# Allegro board ultrasound_tnr_1000a_01_20171121.brd (continued)
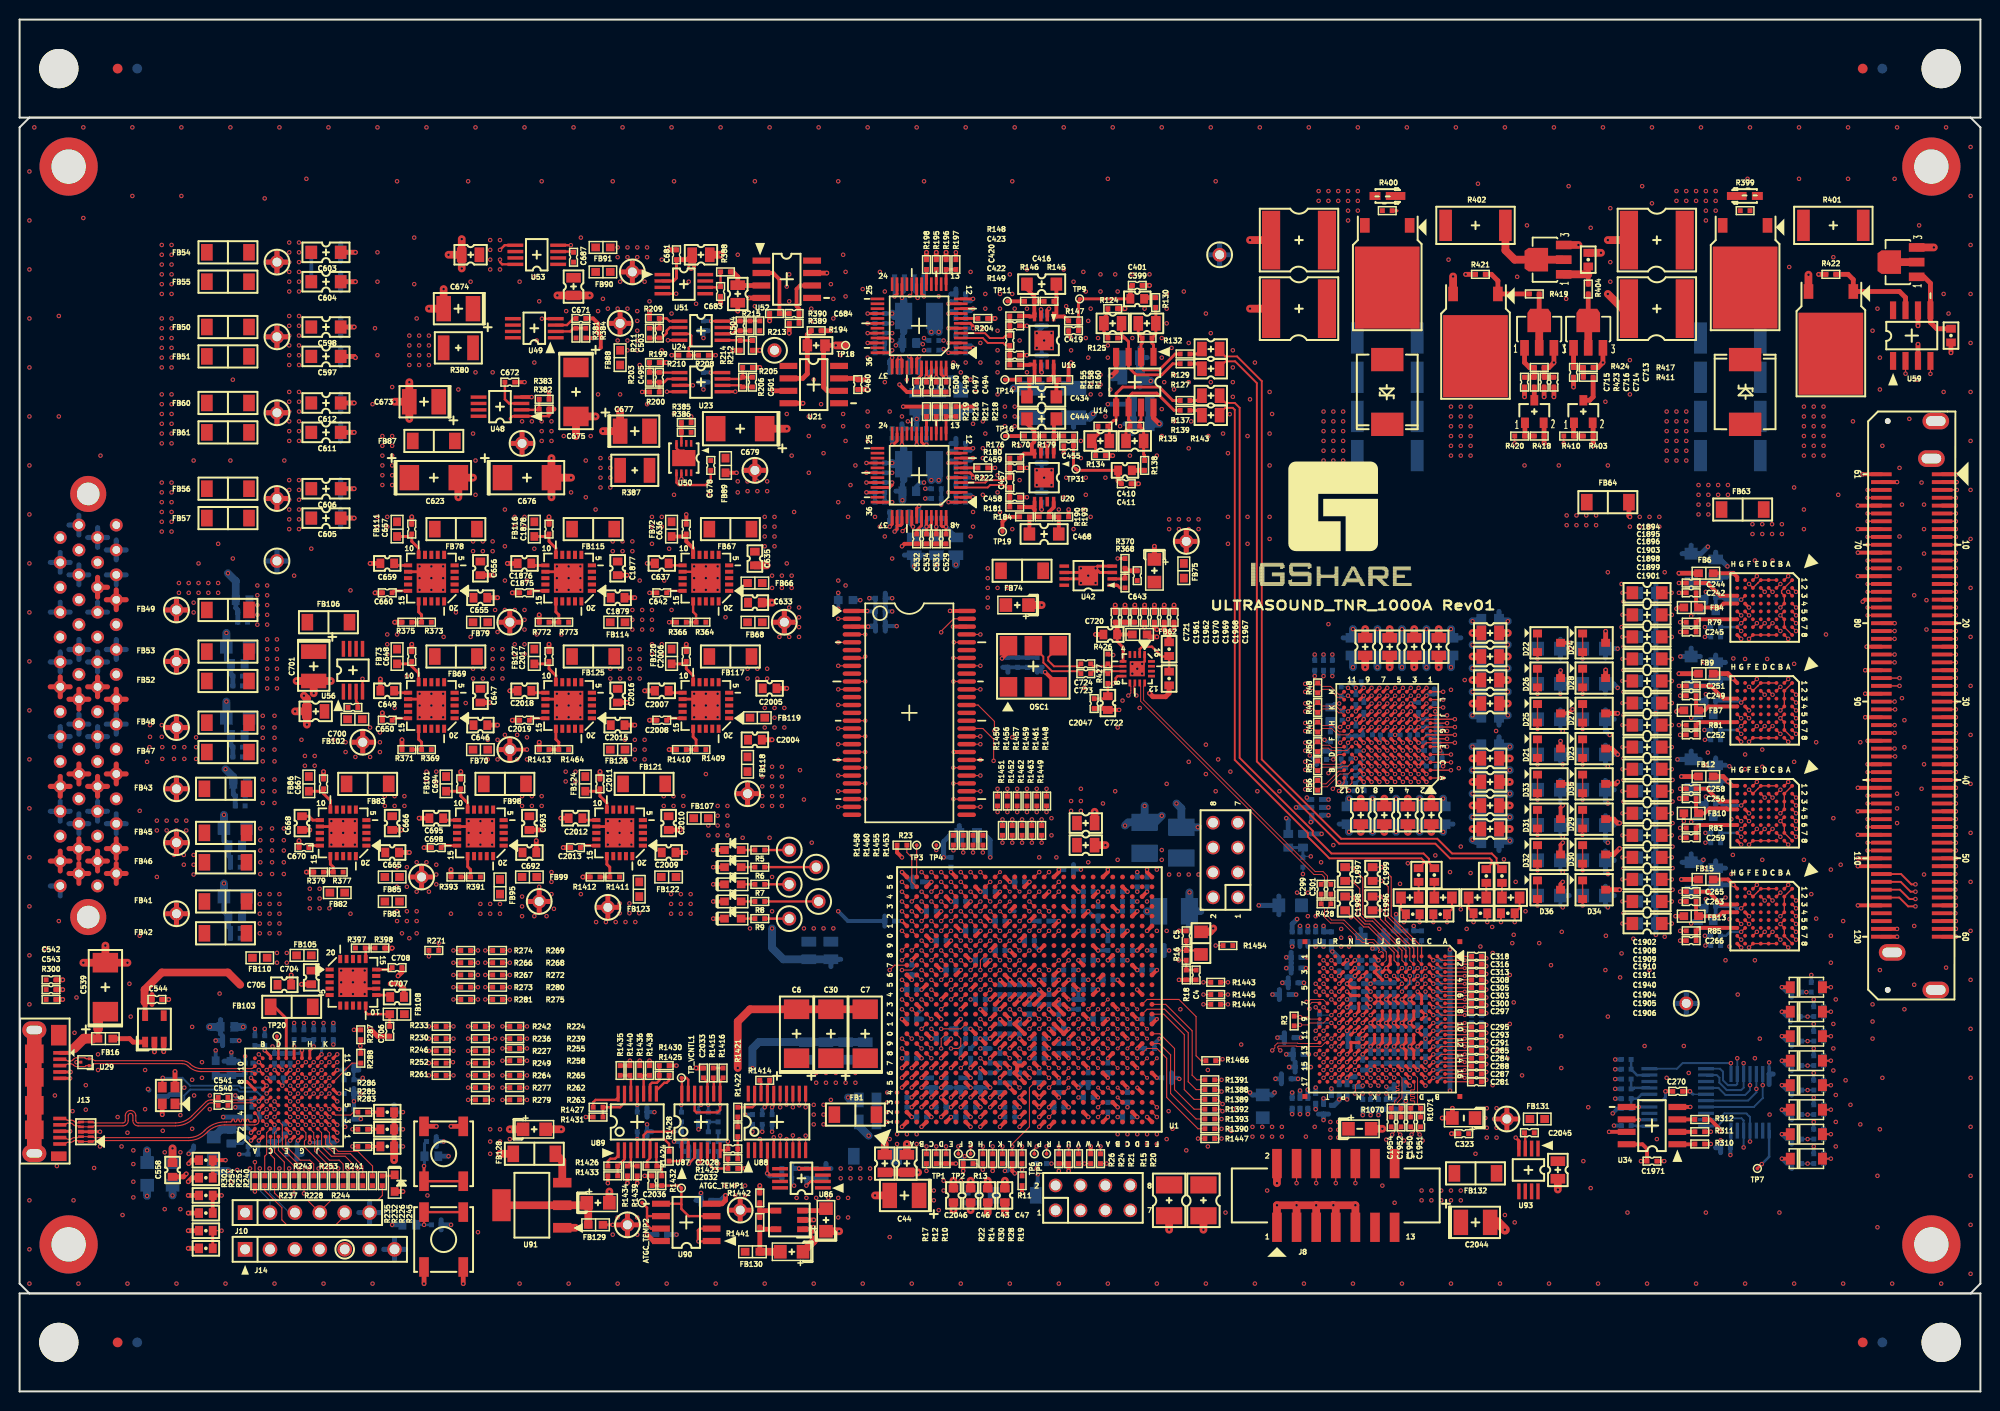
[diagram p0: board, top side]
## Nets (continued)
D3V3P: C270.1 C271.1 C613.1 C614.1 C615.1 C616.1 C647.1 C1971.1 C2005.1 C2010.1 C2016.1 FB41.2 FB42.2 FB69.1 FB107.1 FB109.1 FB110.1 FB117.1 FB121.1 FB125.1 Q5.2 Q9.2 R87.2 R88.2 R89.2 R93.1 R95.2 R96.2 R97.2 R98.2 R111.2 R112.2 R113.2 R114.2 R403.1 R418.1 U8.5 U9.14 U34.8
D3V3P_FPGA: C62.1 C63.1 C64.1 C65.1 C66.1 C67.1 C68.1 C69.1 C70.1 C71.1 C72.1 C73.1 C74.1 C75.1 C76.1 C77.1 C78.1 C107.1 C108.1 C109.1 C110.1 C111.1 C112.1 C113.1 C114.1 FB107.2 J8.2 R10.2 R11.2 R12.2 R13.2 R14.2 R15.2 R23.2 R24.1 R26.1 R28.1 U1.A11 U1.A21 U1.B8 U1.B18 U1.C15 U1.C25 U1.D12 U1.D22 U1.E9 U1.E19 U1.F16 U1.F26 U1.G13 U1.G23 U1.H10 U1.H20 U1.J17 U1.L7 U1.L21 U1.M18 U1.P7 U1.T6
D3V3P_IN: FB41.1 FB42.1 J12.3 J12.4 J12.5 J12.6 J12.7 J12.8 TH9.1
D3V3P_SDRAM: C717.2 C718.2 C719.2 FB109.2 U31.1 U31.3
D3V3P_USB: C565.2 C566.2 C567.2 C568.2 C569.2 C570.2 C571.2 C572.2 C573.2 C574.2 C575.2 D20.1 FB19.2 FB105.2 FB110.2 J10.1 J14.1 R270.2 R276.1 R282.1 R287.1 R289.1 R291.2 R292.2 R293.2 R294.2 R295.2 R425.1 U26.B1 U26.C11 U26.E3 U26.F1 U26.H11 U26.L9
GND: C3.2 C4.2 C5.2 C6.2 C7.2 C8.2 C9.2 C10.2 C11.2 C12.2 C13.2 C14.2 C15.2 C16.2 C17.2 C18.2 C19.2 C20.2 C21.2 C22.2 C26.2 C27.2 C28.2 C29.2 C30.2 C31.2 C32.2 C33.2 C35.2 C36.2 C37.2 C38.2 C39.2 C40.2 C41.2 C42.2 C43.2 C44.2 C45.2 C46.2 C47.2 C48.2 C49.2 C50.2 C51.2 C52.2 C53.2 C54.2 C55.2 C56.2 C57.2 C58.2 C59.2 C60.2 C61.2 C62.2 C63.2 C64.2 C65.2 C66.2 C67.2 C68.2 C69.2 C70.2 C71.2 C72.2 C73.2 C74.2 C75.2 C76.2 C77.2 C78.2 C79.2 C80.2 C81.2 C82.2 C83.2 C84.2 C85.2 C86.2 C87.2 C88.2 C89.2 C90.2 C91.2 C92.2 C93.2 C94.2 C95.2 C96.2 C97.2 C98.2 C99.2 C100.2 C101.2 C102.2 C103.2 C104.2 C105.2 C106.2 C107.2 C108.2 C109.2 C110.2 C111.2 C112.2 C113.2 C114.2 C115.2 C116.2 C117.2 C118.2 C119.2 C120.2 C121.2 C122.2 C123.2 C124.2 C125.2 C126.2 C127.2 C128.2 C129.2 C130.2 C141.2 C142.2 C143.2 C144.2 C145.2 C146.2 C147.2 C148.2 C149.2 C150.2 C151.2 C152.2 C153.2 C154.2 C155.2 C156.2 C157.2 C158.2 C163.2 C164.2 C165.2 C166.2 C167.2 C168.2 C169.2 C170.2 C171.2 C172.2 C173.2 C174.2 C175.2 C176.2 C177.2 C178.2 C179.2 C180.2 C196.2 C210.2 C211.2 C212.2 C213.2 C215.2 C216.2 C217.2 C218.2 C219.2 C220.2 C221.2 C222.2 C223.2 C227.2 C228.2 C229.2 C230.2 C231.2 C232.2 C233.2 C234.2 C235.2 C236.2 C237.2 C238.2 C239.2 C242.2 C243.2 C244.2 C245.2 C246.2 C247.2 C248.2 C249.2 C250.2 C251.2 C252.2 C253.2 C254.2 C255.2 C256.2 C257.2 C258.2 C259.2 C260.2 C261.2 C262.2 C263.2 C264.2 C265.2 C266.2 C267.2 C268.2 C269.2 C270.2 C271.2 C272.2 C273.2 C274.2 C275.2 C277.2 C278.2 C279.2 C280.2 C282.1 C283.1 C286.1 C289.1 C290.1 C292.1 C294.1 C296.1 C298.1 C302.1 C304.1 C306.1 C310.1 C315.1 C317.1 C319.1 C320.2 C321.2 C322.2 C323.2 C324.2 C325.2 C326.2 C327.2 C328.2 C329.2 C330.2 C331.2 C332.2 C333.2 C334.2 C335.2 C336.2 C337.2 C338.2 C339.2 C340.2 C341.2 C342.2 C343.2 C344.2 C345.2 C346.2 C347.2 C348.2 C349.2 C350.2 C351.2 C352.2 C353.2 C354.2 C355.2 C356.2 C357.2 C358.2 C359.2 C360.2 C361.2 C362.2 C363.2 C364.2 C365.2 C366.2 C367.2 C368.2 C369.2 C370.2 C371.2 C372.2 C373.2 C374.2 C375.2 C376.2 C377.2 C378.2 C379.2 C380.2 C381.2 C382.2 C383.2 C384.2 C385.2 C386.2 C387.2 C388.2 C389.2 C390.2 C391.2 C392.2 C393.2 C394.2 C395.2 C397.2 C401.2 C402.2 C403.2 C411.2 C417.1 C418.2 C419.2 C422.2 C423.2 C428.1 C429.2 C452.2 C455.2 C458.2 C459.2 C460.1 C462.1 C469.2 C470.2 C471.2 C472.2 C473.2 C474.2 C475.2 C476.2 C477.2 C478.2 C479.2 C480.2 C481.2 C482.2 C483.2 C484.2 C485.2 C486.2 C487.2 C488.2 C489.2 C490.2 C491.2 C493.2 C494.2 C496.2 C497.2 C498.2 C499.2 C500.2 C502.2 C505.2 C506.2 C507.2 C508.2 C509.2 C510.2 C511.2 C512.2 C513.2 C514.2 C515.2 C516.2 C517.2 C518.2 C519.2 C520.2 C521.2 C522.2 C523.2 C524.2 C525.2 C526.2 C528.2 C529.2 C530.2 C531.2 C532.2 C533.2 C534.2 C535.2 C536.1 C537.2 C538.2 C539.2 C542.2 C543.2 C544.1 C545.1 C546.1 C547.1 C548.1 C549.1 C550.1 C551.1 C552.1 C553.1 C554.1 C555.1 C556.1 C557.1 C558.1 C559.1 C560.1 C561.1 C562.1 C563.1 C564.1 C565.1 C566.1 C567.1 C568.1 C569.1 C570.1 C571.1 C572.1 C573.1 C574.1 C575.1 C594.2 C595.2 C596.2 C597.2 C598.2 C599.2 C600.2 C601.2 C602.2 C603.2 C604.2 C605.2 C606.2 C609.2 C610.2 C611.2 C612.2 C613.2 C614.2 C615.2 C616.2 C617.1 C618.1 C619.1 C623.2 C625.2 C626.2 C627.2 C628.2 C629.2 C630.2 C631.2 C632.2 C633.2 C635.2 C636.2 C637.2 C642.2 C644.1 C645.1 C646.2 C647.2 C648.2 C649.2 C650.2 C655.2 C656.2 C657.2 C659.2 C660.2 C665.2 C666.2 C667.2 C668.2 C670.2 C673.2 C674.2 C675.2 C676.2 C677.1 C679.1 C680.2 C681.2 C682.2 C683.2 C685.2 C686.2 C692.2 C693.2 C694.2 C695.2 C698.2 C699.2 C701.2 C704.2 C705.2 C706.2 C707.2 C708.2 C709.1 C710.1 C711.1 C712.1 C713.1 C714.1 C715.1 C716.1 C717.1 C718.1 C719.1 C720.2 C721.2 C722.2 C1875.2 C1876.2 C1877.2 C1878.2 C1879.2 C1961.2 C1962.2 C1963.2 C1964.2 C1965.2 C1966.2 C1967.2 C1968.2 C1969.2 C1970.2 C1971.2 C2000.1 C2001.1 C2002.1 C2003.1 C2004.2 C2005.2 C2006.2 C2007.2 C2008.2 C2009.2 C2010.2 C2011.2 C2012.2 C2013.2 C2015.2 C2016.2 C2017.2 C2018.2 C2019.2 C2020.2 C2021.2 C2022.2 C2023.2 C2024.2 C2025.2 C2026.2 C2027.2 C2030.2 C2031.2 C2032.2 C2033.2 C2034.2 C2035.2 C2036.2 C2037.2 C2038.2 C2039.2 C2040.2 C2041.1 C2042.1 C2043.2 C2044.2 C2046.2 C2047.2 D1.2 D2.2 D3.2 D4.2 D5.2 D6.1 D7.1 D8.1 D9.1 D10.1 D11.1 D12.1 D13.1 D21.3 D22.3 D23.3 D24.3 D25.3 D26.3 D27.3 D28.3 D29.3 D30.3 D31.3 D32.3 D33.3 D34.3 D35.3 D36.3 H1.1 H2.1 H3.1 H4.1 J8.1 J8.3 J8.5 J8.7 J8.9 J10.6 J12.1 J12.2 J12.9 J12.10 J12.15 J12.16 J12.21 J12.22 J12.23 J12.24 J12.29 J12.30 J12.35 J12.36 J12.41 J12.42 J12.43 J12.44 J12.45 J12.46 J12.51 J12.52 J12.53 J12.54 J12.59 J12.60 J13.4 J13.5 J13.8 J14.7 J17.1 J17.2 J17.5 J17.8 J17.11 J17.14 J17.17 J17.20 J17.23 J17.26 J17.29 J17.32 J17.35 J17.38 J17.41 J17.44 J17.47 J17.50 J17.51 J17.56 J17.58 J17.59 J17.60 J17.61 J17.62 J17.65 J17.68 J17.71 J17.74 J17.77 J17.80 J17.83 J17.86 J17.89 J17.92 J17.95 J17.98 J17.101 J17.104 J17.107 J17.110 J17.111 J17.116 J17.119 J17.120 L2.1 L3.1 L4.1 L5.1 L6.1 L7.1 L8.1 L9.1 L10.1 L11.1 L12.1 L13.1 L14.1 L15.1 L16.1 L17.1 OSC1.3 Q3.3 Q4.3 Q7.3 Q8.3 R18.1 R25.2 R27.2 R29.2 R32.2 R64.2 R65.2 R66.2 R90.1 R91.1 R92.1 R124.2 R134.2 R160.1 R193.1 R194.2 R197.1 R200.2 R201.1 R202.1 R204.1 R207.1 R210.2 R214.2 R218.1 R220.1 R221.1 R222.1 R223.1 R278.1 R284.1 R290.1 R296.1 R297.1 R298.1 R300.1 R301.2 R302.2 R310.1 R311.1 R312.1 R356.1 R357.1 R358.1 R359.1 R360.1 R361.1 R362.1 R363.1 R366.1 R370.1 R371.1 R375.1 R379.1 R383.1 R384.1 R385.2 R393.1 R398.1 R409.1 R412.1 R421.1 R422.1 R772.1 R1022.1 R1024.1 R1026.1 R1031.1 R1033.1 R1037.1 R1039.1 R1040.1 R1041.1 R1043.1 R1045.1 R1047.1 R1051.1 R1053.1 R1055.1 R1057.1 R1074.1 R1410.1 R1412.1 R1413.1 R1430.1 R1431.1 R1433.1 R1434.1 R1435.1 R1436.1 R1437.1 R1438.1 R1439.1 R1440.1 R1442.1 R1465.1 R1468.1 SW1.3 SW1.4 SW2.3 SW2.4 TH12.1 TH13.1 TH14.1 U1.A1 U1.A2 U1.A5 U1.A6 U1.A7 U1.A16 U1.A26 U1.AA6 U1.AA16 U1.AA26 U1.AB3 U1.AB13 U1.AB23 U1.AC10 U1.AC20 U1.AD7 U1.AD17 U1.AE4 U1.AE14 U1.AE24 U1.AF1 U1.AF11 U1.AF21 U1.B4 U1.B5 U1.B6 U1.B7 U1.B13 U1.B23 U1.C1 U1.C3 U1.C4 U1.C5 U1.C7 U1.C10 U1.C20 U1.D4 U1.D7 U1.D17 U1.E1 U1.E2 U1.E3 U1.E4 U1.E5 U1.E7 U1.E8 U1.E14 U1.E24 U1.F3 U1.F4 U1.F7 U1.F11 U1.F21 U1.G1 U1.G3 U1.G4 U1.G5 U1.G8 U1.G18 U1.H4 U1.H7 U1.H15 U1.H25 U1.J1 U1.J2 U1.J3 U1.J4 U1.J5 U1.J12 U1.J22 U1.K3 U1.K4 U1.K7 U1.K9 U1.K11 U1.K13 U1.K19 U1.L1 U1.L3 U1.L4 U1.L5 U1.L10 U1.L12 U1.L14 U1.L16 U1.L26 U1.M4 U1.M6 U1.M7 U1.M9 U1.M11 U1.M13 U1.M15 U1.M23 U1.N1 U1.N2 U1.N3 U1.N4 U1.N5 U1.N7 U1.N10 U1.N11 U1.N14 U1.N20 U1.P3 U1.P4 U1.P9 U1.P13 U1.P15 U1.P17 U1.R1 U1.R2 U1.R3 U1.R4 U1.R5 U1.R8 U1.R10 U1.R14 U1.R24 U1.T1 U1.T3 U1.T4 U1.T9 U1.T11 U1.T13 U1.T15 U1.T21 U1.U8 U1.U10 U1.U12 U1.U14 U1.U18 U1.V5 U1.V15 U1.V25 U1.W2 U1.W12 U1.W22 U1.Y9 U1.Y19 U3.A2 U3.A7 U3.B2 U3.B7 U3.C2 U3.C3 U3.C4 U3.C5 U3.C6 U3.C7 U3.E10 U3.F9 U3.F10 U3.G9 U3.G10 U3.H10 U3.K2 U3.K3 U3.K4 U3.K5 U3.K6 U3.K7 U3.L2 U3.L7 U3.M2 U3.M7 U4.G4 U4.H8 U5.G4 U5.H8 U6.G4 U6.H8 U7.G4 U7.H8 U8.15 U9.7 U11.D15 U11.D16 U11.D17 U11.E8 U11.E9 U11.E10 U11.E15 U11.F8 U11.F9 U11.F10 U11.F15 U11.F16 U11.F17 U11.G8 U11.G9 U11.G10 U11.G15 U11.H1 U11.H2 U11.H3 U11.H8 U11.H9 U11.H10 U11.J3 U11.J4 U11.J8 U11.J9 U11.J10 U11.K1 U11.K2 U11.K3 U11.K8 U11.K9 U11.K10 U11.L8 U11.L9 U11.L10 U11.M3 U11.M7 U11.M8 U11.M9 U11.M10 U11.M11 U11.N7 U11.N8 U11.N9 U11.N10 U11.N11 U11.P8 U11.P9 U11.P10 U16.9 U20.9 U21.4 U22.1 U22.3 U22.6 U22.9 U22.11 U22.19 U22.22 U22.33 U22.36 U22.38 U22.39 U22.41 U23.4 U24.4 U25.1 U25.3 U25.6 U25.9 U25.11 U25.19 U25.22 U25.33 U25.36 U25.38 U25.39 U25.41 U26.A1 U26.A8 U26.B7 U26.B8 U26.B9 U26.D8 U26.E2 U26.G1 U26.G11 U26.K3 U26.K4 U26.L1 U26.L2 U26.L3 U26.L6 U26.L11 U27.3 U27.8 U29.3 U30.2 U30.3 U31.36 U31.52 U31.54 U34.4 U34.7 U40.12 U40.21 U42.3 U42.4 U42.6 U42.7 U42.9 U43.12 U43.21 U45.12 U45.21 U47.12 U47.21 U48.4 U49.4 U50.6 U51.4 U52.4 U53.4 U55.12 U55.21 U56.4 U58.12 U58.21 U59.3 U60.1 U60.17 U78.12 U78.21 U79.12 U79.21 U83.12 U83.21 U84.12 U84.21 U86.4 U87.3 U88.3 U88.5 U91.1 U92.1 U93.4 Y1.2 Y1.4
/RESET: C536.2 R425.2 SW2.1 SW2.2 U26.C5
/SD_CAS: U1.K23 U31.17
/SD_CS: U1.L22 U31.19
/SD_RAS: U1.K22 U31.18
/SD_WE: U1.J23 U31.16
/TRST: J14.2 U26.B11
A0: R87.1 R90.2 U8.6
A1: R280.1 U1.J18
A1_32 TI CONNECTOR: R88.1 R91.2 U8.7
A2: R281.1 U1.K16
A2_32 TI CONNECTOR: R89.1 R92.2 U8.9
AD_3V3P: C469.1 C470.1 C471.1 C472.1 C473.1 C474.1 C475.1 C476.1 C505.1 C506.1 C507.1 C508.1 C509.1 C510.1 C511.1 C512.1 FB90.2 FB91.1 R195.1 R196.1 R198.1 R216.1 R217.1 R219.1 TH35.1 U22.18 U22.23 U22.34 U22.37 U25.18 U25.23 U25.34 U25.37
ADC_OUT_N0: U1.V7 U11.T16
ADC_OUT_N1: U1.W8 U11.T15
ADC_OUT_N2: U1.Y7 U11.T14
ADC_OUT_N3: U1.AC7 U11.U13
ADC_OUT_N4: U1.AF7 U11.U12
ADC_OUT_N5: U1.AD8 U11.R11
ADC_OUT_N6: U1.AA7 U11.U11
ADC_OUT_N7: U1.W9 U11.U10
ADC_OUT_N8: U1.AE11 U11.U8
ADC_OUT_N9: U1.AE10 U11.U7
ADC_OUT_N10: U1.AC12 U11.R6
ADC_OUT_N11: U1.Y10 U11.U6
ADC_OUT_N12: U1.W11 U11.U5
ADC_OUT_N13: U1.AD13 U11.T4
ADC_OUT_N14: U1.AA12 U11.T3
ADC_OUT_N15: U1.Y12 U11.T2
ADC_OUT_P0: U1.V8 U11.R16
ADC_OUT_P1: U1.V9 U11.R15
ADC_OUT_P2: U1.Y8 U11.R14
ADC_OUT_P3: U1.AB7 U11.T13
ADC_OUT_P4: U1.AE7 U11.T12
ADC_OUT_P5: U1.AC8 U11.R12
ADC_OUT_P6: U1.AA8 U11.T11
ADC_OUT_P7: U1.W10 U11.T10
ADC_OUT_P8: U1.AD11 U11.T8
ADC_OUT_P9: U1.AD10 U11.T7
ADC_OUT_P10: U1.AB12 U11.R7
ADC_OUT_P11: U1.Y11 U11.T6
ADC_OUT_P12: U1.V11 U11.T5
ADC_OUT_P13: U1.AC13 U11.R4
ADC_OUT_P14: U1.AA13 U11.R3
ADC_OUT_P15: U1.Y13 U11.R2
ADC_SCLK: R1388.2 U11.J17
ADC_SDATA: R1389.2 U11.L16
ADC_SDOUT: U1.V12 U11.H16
ADC_SEN: R1390.2 U11.K17
AFE_CLKN: C301.1 U60.12
AFE_CLKP: C299.1 U60.11
ATGC_CTRL0: R1429.1 TP_VCNTL1.1 U87.13 U87.14
ATGC_CTRL1: R1428.1 U87.1 U87.2
ATGC_D0: U1.A12 U88.14
ATGC_D1: U1.C12 U88.13
ATGC_D2: U1.C11 U88.12
ATGC_D3: U1.B9 U88.11
ATGC_D4: U1.A10 U88.10
ATGC_D5: U1.A9 U88.9
ATGC_D6: U1.B10 U88.8
ATGC_D7: U1.A8 U88.7
ATGC_LDAC: U1.C9 U88.6
ATGC_TEMP: ATGC_TEMP1.1 C2036.1 R1432.2 U90.3 U90.5
ATGC_WR: U1.B12 U88.15
AVTT: C122.1 C123.1 C124.1 C125.1 C126.1 C127.1 C128.1 C129.1 C130.1 FB2.2 U1.B3 U1.C2 U1.D3 U1.G2 U1.H3 U1.L2 U1.M3
BA0: U1.G24 U31.20
BA1: U1.F24 U31.21
CAP_MGTAVCC: C115.1 C116.1 C117.1 C118.1 C119.1 C120.1 C121.1 FB1.2 U1.C6 U1.E6 U1.G6 U1.J6 U1.L6
CHARGER DETECTOR: TP20.1 U26.D11
CLK_EN: R1467.1 R1468.2 U60.2
CLK_RSV_N0: J1.3 U1.AA2
CLK_RSV_N1: J1.7 U1.R23
CLK_RSV_P0: J1.1 U1.AA3
CLK_RSV_P1: J1.5 U1.R22
CVDDQ: C561.2 C562.2 FB19.1 U26.B6
CW_AD_CLK: U1.E13 U22.40 U25.40
CW_AD_SYNC: U1.F14 U22.20 U25.20
CW_CLKN_1X: C1952.2 U1.AD9
CW_CLKN_16X: C1950.2 U1.AC11
CW_CLKP_1X: C1954.2 U1.AC9
CW_CLKP_16X: C1951.2 U1.AB11
CW_I_ADINN: C420.2 C422.1 R149.2 U22.4
CW_I_ADINP: C420.1 C423.1 R148.2 U22.5
CW_I_DATA: R201.2 U1.C13 U22.30
CW_I_FSO: R202.2 U1.C14 U22.32
CW_I_SCLK: R207.2 U1.A13 U22.28
CW_IP_OUTM: C400.1 R1400.2
CW_IP_OUTP: C398.1 R1399.2
CW_PWR_CTRL0: U1.G14 U59.2
CW_PWR_CTRL1: U1.J14 U59.4
CW_PWR_CTRL2: R420.2 U1.H11
CW_PWR_CTRL3: R410.2 U1.J11
CW_Q_ADINN: C457.2 C458.1 R181.2 U25.4
CW_Q_ADINP: C457.1 C459.1 R180.2 U25.5
CW_Q_DATA: R220.2 U1.D14 U25.30
CW_Q_FSO: R221.2 U25.32
CW_Q_SCLK: R223.2 U25.28
CW_QP_OUTM: C409.1 R1404.2
CW_QP_OUTP: C408.1 R1402.2
DCLKN: R3.2 U1.AB9 U11.U9
DCLKP: R3.1 U1.AA9 U11.T9
DEVID3: R61.1 R1465.2 U3.F11
DM: J13.2 U26.A10 U29.2
DP: J13.3 U26.A9 U29.1
DQ0: R224.1 U1.C16
DQ1: R227.1 U1.B16
DQ2: R230.1 U1.A18
DQ3: R233.1 U1.A19
DQ4: R236.1 U1.B17
DQ5: R239.1 U1.A17
DQ6: R242.1 U1.C19
DQ7: R246.1 U1.B19
DQ8: R249.1 U1.C17
DQ9: R252.1 U1.C18
DQ10: R255.1 U1.D15
DQ11: R258.1 U1.D16
DQ12: R261.1 U1.H16
DQ13: R262.1 U1.G16
DQ14: R263.1 U1.G15
DQ15: R264.1 U1.F15
FCLKN: R429.2 U1.AB10 U11.R8
FCLKP: R429.1 U1.AA10 U11.R10
FHVN: FB6.2 FB9.2 FB12.2 FB15.2 FB64.2
FLAGA: R271.1 U1.F20
FLAGB: R272.1 U1.G17
FLAGC: R273.1 U1.H17
FLAGD: R275.1 U1.L17
FPGA_CLKN: U1.N22 U60.10
FPGA_CLKP: U1.N21 U60.9
FPGA_INT: R287.2 R288.1 U1.D20
FPGA_TCK: C3.1 J8.6 R13.1 R22.2
FPGA_TDI: J8.10 R15.1 R21.2
FPGA_TDO: J8.8 R20.2
FPGA_TMS: J8.4 R11.1 R19.2
FSLC0: R293.1 R296.2 U26.B2
FSLC1: R294.1 R297.2 U26.B4
FSLC2: R295.1 R298.2 U26.E6
FX3_CLK: R265.1 U1.E18
GPIO1: R277.1 U1.J15
GPIO2: R279.1 U1.J16
GPIO45: C535.1 R270.1 SW1.1 SW1.2 U26.F2
GPIO[50]: R10.1 R237.1 U1.J7
GPIO[52]: R12.1 R243.1 U1.G7
GPIO_RSV_N0: J1.4 U1.T25
GPIO_RSV_N1: J1.8 U1.R20
GPIO_RSV_N2: J18.3 U1.AB4
GPIO_RSV_N3: J18.7 U1.AC3
GPIO_RSV_N4: J18.4 U1.F10
GPIO_RSV_N5: J18.8 U1.D10
GPIO_RSV_P0: J1.2 U1.T24
GPIO_RSV_P1: J1.6 U1.T20
GPIO_RSV_P2: J18.1 U1.AA4
GPIO_RSV_P3: J18.5 U1.AC4
GPIO_RSV_P4: J18.2 U1.G11
GPIO_RSV_P5: J18.6 U1.E10
HV_AHVN1: C163.1 C164.1 C165.1 C166.1 C167.1 C168.1 C169.1 C170.1 C171.1 C603.1 C604.1 FB54.2 FB55.2 FB64.1 R358.2 R359.2 TH2.1 U3.H4 U3.J4 U3.J5 U3.J6 U3.J7 U3.J8 U3.K8 U3.L8 U3.M8
HV_AHVN1_IN: FB54.1 FB55.1 J12.55 J12.57
HV_AHVN2: C611.1 C612.1 C711.2 C712.2 D17.2 FB60.2 FB61.2 Q2.3 R362.2 R363.2 R400.2 TH4.1
HV_AHVN2_IN: FB60.1 FB61.1 J12.56 J12.58
HV_AHVP1: C141.1 C142.1 C143.1 C144.1 C145.1 C146.1 C147.1 C148.1 C149.1 C597.1 C598.1 FB50.2 FB51.2 R356.2 R357.2 TH1.1 U3.A8 U3.B8 U3.C8 U3.D4 U3.D5 U3.D6 U3.D7 U3.D8 U3.E4
HV_AHVP1_IN: FB50.1 FB51.1 J12.47 J12.49
HV_AHVP2: C605.1 C606.1 C709.2 C710.2 D16.1 FB56.2 FB57.2 Q1.3 R360.2 R361.2 R399.2 TH3.1
HV_AHVP2_IN: FB56.1 FB57.1 J12.48 J12.50
HV_Q133: D14.1 Q1.2
HV_Q134: D15.2 Q2.2
HVMUX_CLK: R1450.2 U4.G5 U5.G5 U6.G5 U7.G5
HVMUX_CLR: R80.2 R82.2 R84.2 R86.2 R1449.2
HVMUX_DIN0: R1451.2 U4.H5
HVMUX_DIN1: R1452.2 U5.H5
HVMUX_DIN2: R1462.2 U6.H5
HVMUX_DIN3: R1463.2 U7.H5
HVMUX_DOUT0: R1456.2 U4.H7
HVMUX_DOUT1: R1457.2 U5.H7
HVMUX_DOUT2: R1459.2 U6.H7
HVMUX_DOUT3: R1461.2 U7.H7
HVMUX_EN: R79.2 R81.2 R83.2 R85.2 R1448.2
HVN_CW: C172.1 C173.1 C174.1 C175.1 C176.1 C177.1 C178.1 C179.1 C180.1 D15.1 R413.2 R414.2 R415.2 R416.2 U3.H5 U3.H6 U3.H7 U3.H8 U3.H9 U3.J9 U3.K9 U3.L9 U3.M9
HVP_CW: C150.1 C151.1 C152.1 C153.1 C154.1 C155.1 C156.1 C157.1 C158.1 D14.2 R405.2 R406.2 R407.2 R408.2 U3.A9 U3.B9 U3.C9 U3.D9 U3.E5 U3.E6 U3.E7 U3.E8 U3.E9
I2C_SCL: R291.1 U8.2 U26.D9 U34.6
I2C_SDA: R292.1 U8.4 U26.D10 U34.5
LVOUT_CH0: C281.1 C1972.1 D21.1 D21.2 L2.2 U3.M3
LVOUT_CH1: C287.1 C1973.1 D23.1 D23.2 L3.2 U3.L3
LVOUT_CH2: C288.1 C1976.1 D25.1 D25.2 L4.2 U3.M4
LVOUT_CH3: C284.1 C1974.1 D27.1 D27.2 L5.2 U3.L4
LVOUT_CH4: C285.1 C1975.1 D29.1 D29.2 L11.2 U3.B4
LVOUT_CH5: C291.1 C1977.1 D31.1 D31.2 L10.2 U3.A4
LVOUT_CH6: C293.1 C1978.1 D33.1 D33.2 L12.2 U3.A3
LVOUT_CH7: C295.1 C1979.1 D35.1 D35.2 L13.2 U3.B3
LVOUT_CH8: C297.1 C1980.1 D22.1 D22.2 L7.2 U3.M6
LVOUT_CH9: C300.1 C1981.1 D24.1 D24.2 L6.2 U3.L6
LVOUT_CH10: C303.1 C1982.1 D26.1 D26.2 L8.2 U3.M5
LVOUT_CH11: C305.1 C1983.1 D28.1 D28.2 L9.2 U3.L5
LVOUT_CH12: C308.1 C1984.1 D30.1 D30.2 L15.2 U3.B5
LVOUT_CH13: C313.1 C1985.1 D32.1 D32.2 L14.2 U3.A5
LVOUT_CH14: C316.1 C1986.1 D34.1 D34.2 L16.2 U3.B6
LVOUT_CH15: C318.1 C1987.1 D36.1 D36.2 L17.2 U3.A6
M0: R24.2 R25.1 U1.T5
M1: R26.2 R27.1 U1.T2
M2: R28.2 R29.1 U1.P5
MGTVCCAUX: FB3.1 R31.1 R32.1
N24198_30 HVMUX_HVMUX1: C254.1 C255.1 FB9.1 U5.H1
N24198_30 HVMUX_HVMUX3: C247.1 C248.1 FB6.1 U4.H1
N24198_30 HVMUX_HVMUX03: C261.1 C262.1 FB12.1 U6.H1
N24198_30 HVMUX_HVMUX04: C268.1 C269.1 FB15.1 U7.H1
N24233_30 HVMUX_HVMUX1: C249.1 FB7.1 U5.H4
N24233_30 HVMUX_HVMUX03: C256.1 FB10.1 U6.H4
N24233_30 HVMUX_HVMUX3: C242.1 FB4.1 U4.H4
N24233_30 HVMUX_HVMUX04: C263.1 FB13.1 U7.H4
N24253_30 HVMUX_HVMUX1: C250.1 FB8.1 U5.G3
N24253_30 HVMUX_HVMUX03: C257.1 FB11.1 U6.G3
N24253_30 HVMUX_HVMUX3: C243.1 FB5.1 U4.G3
N24253_30 HVMUX_HVMUX04: C264.1 FB14.1 U7.G3
N16777331_30 HVMUX_HVMUX1: C252.1 R81.1 U5.H6
N16777331_30 HVMUX_HVMUX03: C259.1 R83.1 U6.H6
N16777331_30 HVMUX_HVMUX3: C245.1 R79.1 U4.H6
N16777331_30 HVMUX_HVMUX04: C266.1 R85.1 U7.H6
N16777361_30 HVMUX_HVMUX1: C253.1 R82.1 U5.G6
N16777361_30 HVMUX_HVMUX03: C260.1 R84.1 U6.G6
N16777361_30 HVMUX_HVMUX3: C246.1 R80.1 U4.G6
N16777361_30 HVMUX_HVMUX04: C267.1 R86.1 U7.G6
N16777377_30 HVMUX_HVMUX1: C251.1 U5.H3
N16777377_30 HVMUX_HVMUX03: C258.1 U6.H3
N16777377_30 HVMUX_HVMUX3: C244.1 U4.H3
N16777377_30 HVMUX_HVMUX04: C265.1 U7.H3
OSC40_N: C723.2 OSC1.5
OSC40_P: C724.2 OSC1.4
PDN_CLOBAL: R1393.2 U11.M16
PDN_FAST: R1466.2 U11.M17
PKTEND#: R274.1 U1.F19
PLS_/RESET: C196.1 R58.1 R1443.1 U3.H12
PLS_CLKN: R45.1 U1.P21 U3.G11
PLS_CLKP: R45.2 U1.R21 U3.G12
PLS_DATA_N0: R46.1 U1.K26 U3.M11
PLS_DATA_N1: R47.1 U1.P26 U3.K11
PLS_DATA_N2: R48.1 U1.L25 U3.M12
PLS_DATA_N3: R49.1 U1.N24 U3.K12
PLS_DATA_P0: R46.2 U1.K25 U3.L11
PLS_DATA_P1: R47.2 U1.R26 U3.J11
PLS_DATA_P2: R48.2 U1.M25 U3.L12
PLS_DATA_P3: R49.2 U1.P24 U3.J12
PLS_DATAOUT: R1445.1 U3.A12
PLS_ENABLE_N: R56.1 U1.M19 U3.B11
PLS_ENABLE_P: R56.2 U1.N18 U3.B12
PLS_INT: R53.1 R1074.2 R1446.1 U3.H11
PLS_SYS_CLKN: R50.1 U1.N23 U3.E11
PLS_SYS_CLKP: R50.2 U1.P23 U3.E12
PLS_TRIGER_N: R57.1 U1.R17 U3.C11
PLS_TRIGER_P: R57.2 U1.R16 U3.C12
PLS_TX_ON: R1444.1 U3.A11
PMODE0: R276.2 R278.2 R283.1
PMODE1: R282.2 R284.2 R285.1
PMODE2: R286.1 R289.2 R290.2
PPMIX_10VP: C491.1 C502.1 C672.2 C676.1 R382.2 TH27.1 U23.8 U24.8 U48.1
PRB_EL_D0: J17.3 U4.F1
PRB_EL_D1: J17.4 U4.B1
PRB_EL_D2: J17.6 U4.A5
PRB_EL_D3: J17.7 U4.C7
PRB_EL_D4: J17.9 U5.F1
PRB_EL_D5: J17.10 U5.B1
PRB_EL_D6: J17.12 U5.A5
PRB_EL_D7: J17.13 U5.C7
PRB_EL_D8: J17.15 U6.F1
PRB_EL_D9: J17.16 U6.B1
PRB_EL_D10: J17.18 U6.A5
PRB_EL_D11: J17.19 U6.C7
PRB_EL_D12: J17.21 U7.F1
PRB_EL_D13: J17.22 U7.B1
PRB_EL_D14: J17.24 U7.A5
PRB_EL_D15: J17.25 U7.C7
PRB_EL_D16: J17.27 U4.E2
PRB_EL_D17: J17.28 U4.A2
PRB_EL_D18: J17.30 U4.A6
PRB_EL_D19: J17.31 U4.D7
PRB_EL_D20: J17.33 U5.E2
PRB_EL_D21: J17.34 U5.A2
PRB_EL_D22: J17.36 U5.A6
PRB_EL_D23: J17.37 U5.D7
PRB_EL_D24: J17.39 U6.E2
PRB_EL_D25: J17.40 U6.A2
PRB_EL_D26: J17.42 U6.A6
PRB_EL_D27: J17.43 U6.D7
PRB_EL_D28: J17.45 U7.E2
PRB_EL_D29: J17.46 U7.A2
PRB_EL_D30: J17.48 U7.A6
PRB_EL_D31: J17.49 U7.D7
PRB_EL_D32: J17.63 U4.D2
PRB_EL_D33: J17.64 U4.A3
PRB_EL_D34: J17.66 U4.A7
PRB_EL_D35: J17.67 U4.E7
PRB_EL_D36: J17.69 U5.D2
PRB_EL_D37: J17.70 U5.A3
PRB_EL_D38: J17.72 U5.A7
PRB_EL_D39: J17.73 U5.E7
PRB_EL_D40: J17.75 U6.D2
PRB_EL_D41: J17.76 U6.A3
PRB_EL_D42: J17.78 U6.A7
PRB_EL_D43: J17.79 U6.E7
PRB_EL_D44: J17.81 U7.D2
PRB_EL_D45: J17.82 U7.A3
PRB_EL_D46: J17.84 U7.A7
PRB_EL_D47: J17.85 U7.E7
PRB_EL_D48: J17.87 U4.C2
PRB_EL_D49: J17.88 U4.A4
PRB_EL_D50: J17.90 U4.B8
PRB_EL_D51: J17.91 U4.F7
PRB_EL_D52: J17.93 U5.C2
PRB_EL_D53: J17.94 U5.A4
PRB_EL_D54: J17.96 U5.B8
PRB_EL_D55: J17.97 U5.F7
PRB_EL_D56: J17.99 U6.C2
PRB_EL_D57: J17.100 U6.A4
PRB_EL_D58: J17.102 U6.B8
PRB_EL_D59: J17.103 U6.F7
PRB_EL_D60: J17.105 U7.C2
PRB_EL_D61: J17.106 U7.A4
PRB_EL_D62: J17.108 U7.B8
PRB_EL_D63: J17.109 U7.F7
PRB_ID0: C272.1 R100.2 U8.10 U9.1
PRB_ID1: C273.1 R101.2 U8.11 U9.2
PRB_ID2: C274.1 R102.2 U8.12 U9.3
PRB_ID3: C275.1 R103.2 U8.14 U9.4
PRB_ID4: C277.1 R115.2 U8.16 U9.5
PRB_ID5: C278.1 R116.2 U8.17 U9.6
PRB_ID6: C279.1 R117.2 U8.19 U9.11
PRB_ID7: C280.1 R118.2 U8.20 U9.12
PRB_ON_GATE: TP7.1 U9.8
PRBA_PID_0: D6.2 J17.52 R95.1 R100.1
PRBA_PID_1: D7.2 J17.53 R96.1 R101.1
PRBA_PID_2: D8.2 J17.54 R97.1 R102.1
PRBA_PID_3: D9.2 J17.55 R98.1 R103.1
PRBA_PID_4: D10.2 J17.112 R111.1 R115.1
PRBA_PID_5: D11.2 J17.113 R112.1 R116.1
PRBA_PID_6: D12.2 J17.114 R113.1 R117.1
PRBA_PID_7: D13.2 J17.115 R114.1 R118.1
REF_2V5: R192.1 TP18.1 U16.2 U20.2 U21.6
REF_2V5P: R208.1 R212.1 R389.1 R390.1 TH33.1 U21.3 U23.3 U23.5
RESET: R1392.2 U11.L17
SD_A0: U1.H22 U31.23
SD_A1: U1.G21 U31.24
SD_A2: U1.H21 U31.25
SD_A3: U1.J21 U31.26
SD_A4: U1.J26 U31.29
SD_A5: U1.J24 U31.30
SD_A6: U1.H26 U31.31
SD_A7: U1.G26 U31.32
SD_A8: U1.H24 U31.33
SD_A9: U1.F25 U31.34
SD_A10: U1.H23 U31.22
SD_A11: U1.E26 U31.35
SD_CKE: U1.J25 U31.37
SD_CLK: U1.F22 U31.38
SD_DQ0: U1.A24 U31.2
SD_DQ1: U1.A23 U31.4
SD_DQ2: U1.B22 U31.5
SD_DQ3: U1.A22 U31.7
SD_DQ4: U1.B21 U31.8
SD_DQ5: U1.C21 U31.10
SD_DQ6: U1.A20 U31.11
SD_DQ7: U1.B20 U31.13
SD_DQ8: U1.E21 U31.42
SD_DQ9: U1.E22 U31.44
SD_DQ10: U1.D21 U31.45
SD_DQ11: U1.D26 U31.47
SD_DQ12: U1.C24 U31.48
SD_DQ13: U1.C26 U31.50
SD_DQ14: U1.C23 U31.51
SD_DQ15: U1.C22 U31.53
SD_DQMH: U1.D23 U31.39
SD_DQML: U1.D24 U31.15
SLCS#: R266.1 U1.F17
SLOE#: R268.1 U1.E15
SLRD#: R269.1 U1.F18
SLWR#: R267.1 U1.E16
SPI_CLOCK: J10.2 R17.2 R248.1
SPI_MISO: J10.5 R254.1
SPI_MOSI: J10.3 R257.1 U1.A25
SPI_SSN: J10.4 R14.1 R245.1 R251.1 U1.P6
SS_RX_M: J13.9 U26.A3 U27.2 U27.9
SS_RX_P: J13.10 U26.A4 U27.1 U27.10
SS_TX_M: C541.1 J13.6 U27.5 U27.6
SS_TX_P: C540.1 J13.7 U27.4 U27.7
STATUS_LED0: J3.1 R5.1 U1.G19
STATUS_LED1: J4.1 R6.1 U1.E20
STATUS_LED2: J5.1 R7.1 U1.E17
STATUS_LED3: J6.1 R8.1 U1.D19
STATUS_LED4: J7.1 R9.1 U1.D18
TCK: J14.5 U26.F6
TDI: J14.3 U26.E7
TDO: J14.6 U26.C10
TMS: J14.4 U26.E8
TR_CH0: C1894.2 U4.C1 U4.D1 U4.E1 U4.F2
TR_CH1: C1895.2 U4.A1 U4.B2 U4.B3 U4.B4
TR_CH2: C1896.2 U4.A8 U4.B5 U4.B6 U4.B7
TR_CH3: C1903.2 U4.C8 U4.D8 U4.E8 U4.F8
TR_CH4: C1898.2 U5.C1 U5.D1 U5.E1 U5.F2
TR_CH5: C1899.2 U5.A1 U5.B2 U5.B3 U5.B4
TR_CH6: C1901.2 U5.A8 U5.B5 U5.B6 U5.B7
TR_CH7: C1902.2 U5.C8 U5.D8 U5.E8 U5.F8
TR_CH8: C1908.2 U6.C1 U6.D1 U6.E1 U6.F2
TR_CH9: C1909.2 U6.A1 U6.B2 U6.B3 U6.B4
TR_CH10: C1910.2 U6.A8 U6.B5 U6.B6 U6.B7
TR_CH11: C1911.2 U6.C8 U6.D8 U6.E8 U6.F8
TR_CH12: C1940.2 U7.C1 U7.D1 U7.E1 U7.F2
TR_CH13: C1904.2 U7.A1 U7.B2 U7.B3 U7.B4
TR_CH14: C1905.2 U7.A8 U7.B5 U7.B6 U7.B7
TR_CH15: C1906.2 U7.C8 U7.D8 U7.E8 U7.F8
TX_TRIG: R1391.2 U11.M15
TXCL: J17.57 R1447.2
U3RX_VDDQ: C559.2 C560.2 FB17.1 U26.A2
U3TX_VDDQ: C557.2 C558.2 FB18.1 U26.B5
USB_5VBUS: FB16.1 U30.1
USB_BUS: C544.2 C705.1 FB103.1 U26.E11 U30.5
VCNTLP_IN: U11.H4 U90.1 U90.2
VCNTLP_IN1: ATGC_TEMP2.1 U90.6 U90.7
VMID: C496.1 C497.1 C530.1 C531.1 R205.1 U22.46 U25.46
VREF_DAC: C2024.1 C2026.1 U86.6 U88.4
VREFN: C492.2 C498.1 C499.1 C527.2 C533.1 C534.1 R209.1 U22.44 U22.45 U25.44 U25.45
VREFP: C492.1 C493.1 C494.1 C527.1 C528.1 C529.1 R199.1 U22.47 U22.48 U25.47 U25.48
XDCR0: C1894.1 R1022.2 U3.K1
XDCR1: C1895.1 R1024.2 U3.J1
XDCR2: C1896.1 R1026.2 U3.H2
XDCR3: C1903.1 R1040.2 U3.G2
XDCR4: C1898.1 R1031.2 U3.F2
XDCR5: C1899.1 R1033.2 U3.E2
XDCR6: C1901.1 R1037.2 U3.D1
XDCR7: C1902.1 R1039.2 U3.C1
XDCR8: C1908.1 R1051.2 U3.M1
XDCR9: C1909.1 R1053.2 U3.L1
XDCR10: C1910.1 R1055.2 U3.H1
XDCR11: C1911.1 R1057.2 U3.G1
XDCR12: C1940.1 R1041.2 U3.F1
XDCR13: C1904.1 R1043.2 U3.E1
XDCR14: C1905.1 R1045.2 U3.B1
XDCR15: C1906.1 R1047.2 U3.A1
XTALIN: C538.1 U26.C6 Y1.1
XTALOUT: C537.1 U26.C7 Y1.3
N00363: R224.2 U26.F10
N00391: R227.2 U26.F9
N01465: R20.1 U1.R7
N01493: R19.1 U1.N8
N01511: R22.1 U1.L8
N01515: R21.1 U1.R6
N01573: R230.2 U26.F7
N01595: R233.2 U26.G10
N01627: C5.1 FB133.1 R16.2 U1.M12
N01661: C4.1 R16.1 R18.2 U1.P12
N01681: R236.2 U26.G9
N01703: R239.2 U26.F8
N01784: R219.2 U25.17
N01789: R242.2 U26.H10
N01811: R246.2 U26.H9
N01903: TP2.1 U1.P11
N01907: TP1.1 U1.N12
N01911: TP3.1 U1.B26
N01915: TP6.1 U1.R11
N01919: TP5.1 U1.R12
N01952: C532.1 U25.43
N01956: R217.2 R218.2 U25.13
N02034: R216.2 U25.15
N02039: R23.1 U1.B25
N02041: R249.2 U26.J10
N02056: R222.2 U25.8
N02063: R252.2 U26.J9
N02093: R255.2 U26.K11
N02097: R258.2 U26.L10
N02145: R261.2 U26.K10
N02167: R262.2 U26.K9
N02197: R263.2 U26.J8
N02219: R264.2 U26.G8
N02305: R265.2 U26.J6
N02367: R17.1 U1.C8
N02435: R266.2 U26.K8
N02664: R267.2 U26.K7
N02668: R268.2 U26.J7
N02716: R269.2 U26.H7
N02738: R271.2 U26.G7
N02768: R272.2 U26.G6
N02772: R273.2 U26.K6
N02820: R274.2 U26.H8
N02848: R275.2 U26.G5
N03009: R277.2 U26.H6
N03013: R279.2 U26.K5
N03061: R280.2 U26.J5
N03089: R281.2 U26.H5
N03347: R285.2 U26.H4
N03351: R283.2 U26.G4
N03403: R286.2 U26.L4
N03525: R288.2 U26.L8
N04059: R226.2 U26.K2
N04081: R229.2 U26.J4
N04115: R232.2 U26.K1
N04119: R235.2 U26.J2
N04171: R238.2 U26.J3
N04193: R241.2 U26.J1
N04227: R244.2 U26.H2
N04249: R247.2 U26.H3
N04283: R250.2 U26.F4
N04287: R253.2 U26.G2
N04291: R301.1 U26.C8
N04303: R302.1 U26.B3
N04339: R256.2 U26.G3
N04621: R259.2 U26.F3
N04804: R225.2 U26.F5
N04826: R228.2 U26.E1
N04860: R231.2 U26.E5
N04864: R234.2 U26.E4
N04916: R237.2 U26.D1
N05134: R240.2 U26.D2
N05193: R243.2 U26.D3
N05266: R248.2 U26.D4
N05331: R251.2 U26.C1
N05396: R254.2 U26.C2
N05461: R257.2 U26.D5
N05526: R260.2 U26.C4
N06314: R212.2 R214.1 U24.5
N06358: R196.2 R197.2 U22.13
N06402: C503.1 R211.1 U24.2
N06444: C503.2 R209.2 R211.2 U24.1
N06456: C495.2 R199.2 R203.2 U23.1
N06500: C501.2 R205.2 R206.2 U23.7
N06504: C495.1 R200.1 R203.1 U23.2
N06528: C504.2 R213.2 R215.2 U24.7
N06590: R198.2 U22.17
N06692: R208.2 R210.1 U24.3
N07037: D16.2 Q1.1 R399.1 R401.2